# Altium PCB MB1166.PcbDoc (part 27 of 39) (continued)
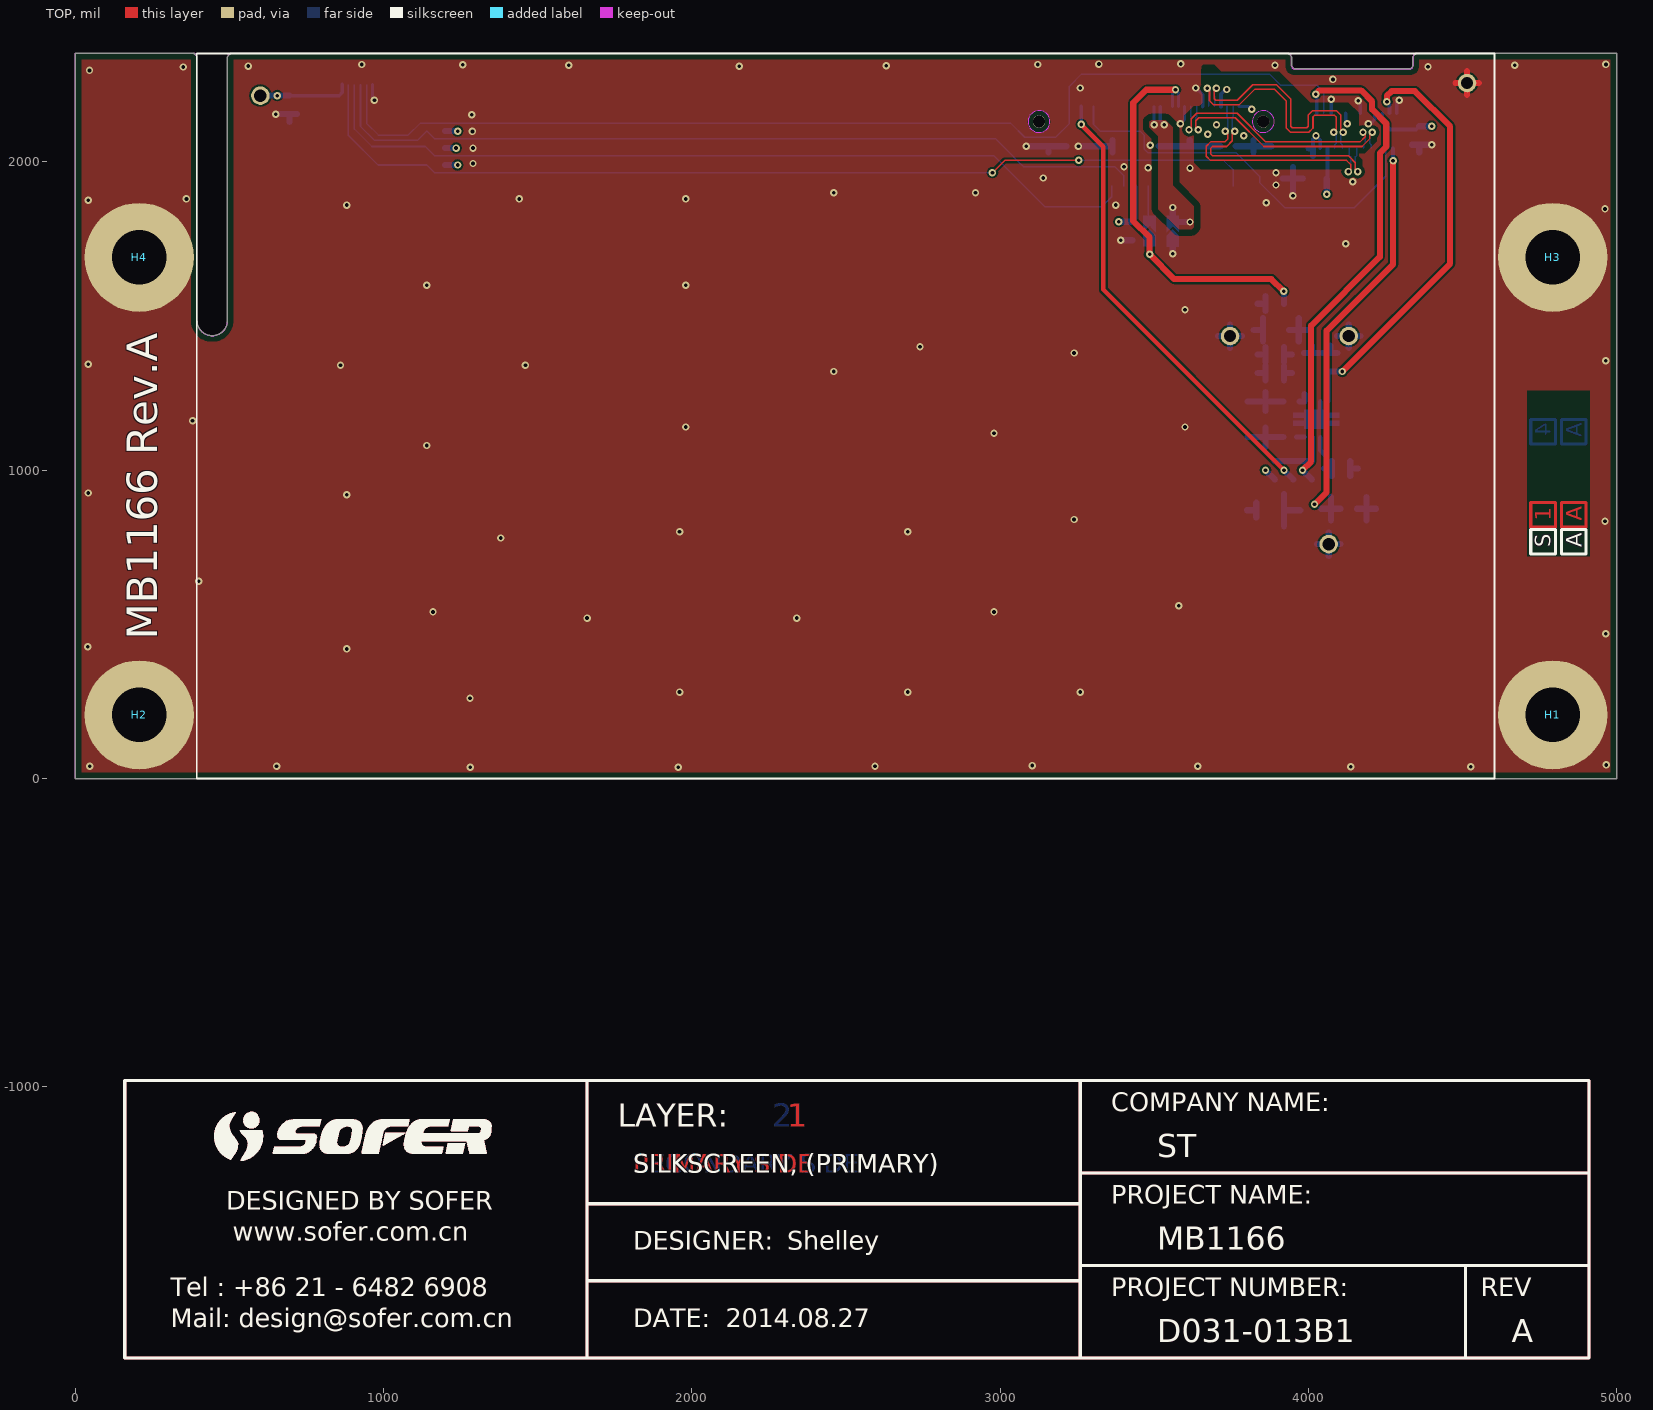
[diagram p0: TOP view]
## Nets (pads, with @x,y where several pads share a name; then routed paths per layer and width w, separated by ;. In a path a pad name is that pad's centre, name@x,y a point inside that pad or via, vN(x,y) a via of type N, cw(c..) or ccw(c..) an arc to the next point about the centre after c; other vN are vias at no path point) (continued)
 ; 1001.2,-1140.4 1001.25,-1140.32 ; 1001.2,-1140.4 1001.25,-1140.32 ; 1001.25,-1140.32 1001.31,-1140.23 ; 1001.25,-1140.32 1001.31,-1140.23 ; 1001.31,-1140.23 1001.36,-1140.15 ; 1001.31,-1140.23 1001.36,-1140.15 ; 1001.36,-1140.15 1001.41,-1140.06 ; 1001.36,-1140.15 1001.41,-1140.06 ; 1001.41,-1140.06 1001.46,-1139.98 ; 1001.41,-1140.06 1001.46,-1139.98 ; 1001.46,-1139.98 1001.52,-1139.89 ; 1001.46,-1139.98 1001.52,-1139.89 ; 1001.52,-1139.89 1001.57,-1139.81 ; 1001.52,-1139.89 1001.57,-1139.81 ; 1001.57,-1139.81 1001.62,-1139.72 ; 1001.57,-1139.81 1001.62,-1139.72 ; 1001.62,-1139.72 1001.68,-1139.64 ; 1001.62,-1139.72 1001.68,-1139.64 ; 1001.68,-1139.64 1001.73,-1139.55 ; 1001.68,-1139.64 1001.73,-1139.55 ; 1001.73,-1139.55 1001.78,-1139.47 ; 1001.73,-1139.55 1001.78,-1139.47 ; 1001.78,-1139.47 1001.84,-1139.39 ; 1001.78,-1139.47 1001.84,-1139.39 ; 1001.84,-1139.39 1001.89,-1139.3 ; 1001.84,-1139.39 1001.89,-1139.3 ; 1001.89,-1139.3 1002.01,-1139.14 ; 1001.89,-1139.3 1002.01,-1139.14 ; 1002.01,-1139.14 1002.06,-1139.05 ; 1002.01,-1139.14 1002.06,-1139.05 ; 1002.06,-1139.05 1002.18,-1138.89 ; 1002.06,-1139.05 1002.18,-1138.89 ; 1002.18,-1138.89 1002.23,-1138.81 ; 1002.18,-1138.89 1002.23,-1138.81 ; 1002.23,-1138.81 1002.29,-1138.73 ; 1002.23,-1138.81 1002.29,-1138.73 ; 1002.29,-1138.73 1002.35,-1138.64 ; 1002.29,-1138.73 1002.35,-1138.64 ; 1002.35,-1138.64 1002.83,-1138 ; 1002.35,-1138.64 1002.83,-1138 ; 1002.83,-1138 1002.89,-1137.93 ; 1002.83,-1138 1002.89,-1137.93 ; 1002.89,-1137.93 1002.95,-1137.85 ; 1002.89,-1137.93 1002.95,-1137.85 ; 1002.95,-1137.85 1003.02,-1137.77 ; 1002.95,-1137.85 1003.02,-1137.77 ; 1003.02,-1137.77 1003.14,-1137.61 ; 1003.02,-1137.77 1003.14,-1137.61 ; 1003.14,-1137.61 1003.2,-1137.54 ; 1003.14,-1137.61 1003.2,-1137.54 ; 1003.2,-1137.54 1003.27,-1137.46 ; 1003.2,-1137.54 1003.27,-1137.46 ; 1003.27,-1137.46 1003.33,-1137.38 ; 1003.27,-1137.46 1003.33,-1137.38 ; 1003.33,-1137.38 1003.4,-1137.3 ; 1003.33,-1137.38 1003.4,-1137.3 ; 1003.4,-1137.3 1003.46,-1137.23 ; 1003.4,-1137.3 1003.46,-1137.23 ; 1003.46,-1137.23 1003.52,-1137.15 ; 1003.46,-1137.23 1003.52,-1137.15 ; 1003.52,-1137.15 1003.59,-1137.07 ; 1003.52,-1137.15 1003.59,-1137.07 ; 1003.59,-1137.07 1003.65,-1137 ; 1003.59,-1137.07 1003.65,-1137 ; 1003.65,-1137 1003.72,-1136.92 ; 1003.65,-1137 1003.72,-1136.92 ; 1003.72,-1136.92 1003.79,-1136.85 ; 1003.72,-1136.92 1003.79,-1136.85 ; 1003.79,-1136.85 1003.85,-1136.77 ; 1003.79,-1136.85 1003.85,-1136.77 ; 1003.85,-1136.77 1003.92,-1136.7 ; 1003.85,-1136.77 1003.92,-1136.7 ; 1003.92,-1136.7 1003.98,-1136.62 ; 1003.92,-1136.7 1003.98,-1136.62 ; 1003.98,-1136.62 1004.05,-1136.55 ; 1003.98,-1136.62 1004.05,-1136.55 ; 1004.05,-1136.55 1004.12,-1136.47 ; 1004.05,-1136.55 1004.12,-1136.47 ; 1004.12,-1136.47 1004.18,-1136.4 ; 1004.12,-1136.47 1004.18,-1136.4 ; 1004.18,-1136.4 1004.25,-1136.33 ; 1004.18,-1136.4 1004.25,-1136.33 ; 1004.25,-1136.33 1004.32,-1136.25 ; 1004.25,-1136.33 1004.32,-1136.25 ; 1004.32,-1136.25 1004.39,-1136.18 ; 1004.32,-1136.25 1004.39,-1136.18 ; 1004.39,-1136.18 1004.45,-1136.11 ; 1004.39,-1136.18 1004.45,-1136.11 ; 1004.45,-1136.11 1004.52,-1136.03 ; 1004.45,-1136.11 1004.52,-1136.03 ; 1004.52,-1136.03 1004.66,-1135.89 ; 1004.52,-1136.03 1004.66,-1135.89 ; 1004.66,-1135.89 1004.73,-1135.81 ; 1004.66,-1135.89 1004.73,-1135.81 ; 1004.73,-1135.81 1005.01,-1135.53 ; 1004.73,-1135.81 1005.01,-1135.53 ; 1005.01,-1135.53 1005.08,-1135.45 ; 1005.01,-1135.53 1005.08,-1135.45 ; 1005.08,-1135.45 1005.78,-1134.75 ; 1005.08,-1135.45 1005.78,-1134.75 ; 1005.78,-1134.75 1005.86,-1134.68 ; 1005.78,-1134.75 1005.86,-1134.68 ; 1005.86,-1134.68 1006.07,-1134.47 ; 1005.86,-1134.68 1006.07,-1134.47 ; 1006.07,-1134.47 1006.15,-1134.4 ; 1006.07,-1134.47 1006.15,-1134.4 ; 1006.15,-1134.4 1006.22,-1134.34 ; 1006.15,-1134.4 1006.22,-1134.34 ; 1006.22,-1134.34 1006.29,-1134.27 ; 1006.22,-1134.34 1006.29,-1134.27 ; 1006.29,-1134.27 1006.37,-1134.2 ; 1006.29,-1134.27 1006.37,-1134.2 ; 1006.37,-1134.2 1006.44,-1134.13 ; 1006.37,-1134.2 1006.44,-1134.13 ; 1006.44,-1134.13 1006.51,-1134.07 ; 1006.44,-1134.13 1006.51,-1134.07 ; 1006.51,-1134.07 1006.59,-1134 ; 1006.51,-1134.07 1006.59,-1134 ; 1006.59,-1134 1006.66,-1133.93 ; 1006.59,-1134 1006.66,-1133.93 ; 1006.66,-1133.93 1006.74,-1133.87 ; 1006.66,-1133.93 1006.74,-1133.87 ; 1006.74,-1133.87 1006.81,-1133.8 ; 1006.74,-1133.87 1006.81,-1133.8 ; 1006.81,-1133.8 1006.89,-1133.73 ; 1006.81,-1133.8 1006.89,-1133.73 ; 1006.89,-1133.73 1006.96,-1133.67 ; 1006.89,-1133.73 1006.96,-1133.67 ; 1006.93,-1150.19 1069.97,-1150.19 ; 1006.93,-1150.19 1069.97,-1150.19 ; 1006.96,-1133.67 1007.04,-1133.6 ; 1006.96,-1133.67 1007.04,-1133.6 ; 1007.04,-1133.6 1007.12,-1133.54 ; 1007.04,-1133.6 1007.12,-1133.54 ; 1007.12,-1133.54 1007.19,-1133.47 ; 1007.12,-1133.54 1007.19,-1133.47 ; 1007.19,-1133.47 1007.35,-1133.35 ; 1007.19,-1133.47 1007.35,-1133.35 ; 1007.35,-1133.35 1007.42,-1133.28 ; 1007.35,-1133.35 1007.42,-1133.28 ; 1007.42,-1133.28 1007.58,-1133.16 ; 1007.42,-1133.28 1007.58,-1133.16 ; 1007.58,-1133.16 1007.66,-1133.09 ; 1007.58,-1133.16 1007.66,-1133.09 ; 1007.66,-1133.09 1007.82,-1132.97 ; 1007.66,-1133.09 1007.82,-1132.97 ; 1007.82,-1132.97 1007.89,-1132.91 ; 1007.82,-1132.97 1007.89,-1132.91 ; 1007.89,-1132.91 1008.37,-1132.55 ; 1007.89,-1132.91 1008.37,-1132.55 ; 1008.37,-1132.55 1008.46,-1132.49 ; 1008.37,-1132.55 1008.46,-1132.49 ; 1008.46,-1132.49 1008.54,-1132.43 ; 1008.46,-1132.49 1008.54,-1132.43 ; 1008.54,-1132.43 1008.62,-1132.38 ; 1008.54,-1132.43 1008.62,-1132.38 ; 1008.62,-1132.38 1008.78,-1132.26 ; 1008.62,-1132.38 1008.78,-1132.26 ; 1008.78,-1132.26 1008.87,-1132.21 ; 1008.78,-1132.26 1008.87,-1132.21 ; 1008.87,-1132.21 1009.03,-1132.09 ; 1008.87,-1132.21 1009.03,-1132.09 ; 1009.03,-1132.09 1009.11,-1132.04 ; 1009.03,-1132.09 1009.11,-1132.04 ; 1009.11,-1132.04 1009.2,-1131.98 ; 1009.11,-1132.04 1009.2,-1131.98 ; 1009.2,-1131.98 1009.28,-1131.93 ; 1009.2,-1131.98 1009.28,-1131.93 ; 1009.28,-1131.93 1009.37,-1131.88 ; 1009.28,-1131.93 1009.37,-1131.88 ; 1009.37,-1131.88 1009.45,-1131.82 ; 1009.37,-1131.88 1009.45,-1131.82 ; 1009.45,-1131.82 1009.54,-1131.77 ; 1009.45,-1131.82 1009.54,-1131.77 ; 1009.54,-1131.77 1009.62,-1131.72 ; 1009.54,-1131.77 1009.62,-1131.72 ; 1009.62,-1131.72 1009.71,-1131.67 ; 1009.62,-1131.72 1009.71,-1131.67 ; 1009.71,-1131.67 1009.79,-1131.61 ; 1009.71,-1131.67 1009.79,-1131.61 ; 1009.79,-1131.61 1009.88,-1131.56 ; 1009.79,-1131.61 1009.88,-1131.56 ; 1009.88,-1131.56 1009.96,-1131.51 ; 1009.88,-1131.56 1009.96,-1131.51 ; 1009.96,-1131.51 1010.14,-1131.41 ; 1009.96,-1131.51 1010.14,-1131.41 ; 1010.14,-1131.41 1010.22,-1131.36 ; 1010.14,-1131.41 1010.22,-1131.36 ; 1010.22,-1131.36 1010.49,-1131.21 ; 1010.22,-1131.36 1010.49,-1131.21 ; 1010.49,-1131.21 1010.57,-1131.17 ; 1010.49,-1131.21 1010.57,-1131.17 ; 1010.57,-1131.17 1010.84,-1131.02 ; 1010.57,-1131.17 1010.84,-1131.02 ; 1010.84,-1131.02 1010.93,-1130.98 ; 1010.84,-1131.02 1010.93,-1130.98 ; 1010.93,-1130.98 1011.01,-1130.93 ; 1010.93,-1130.98 1011.01,-1130.93 ; 1011.01,-1130.93 1011.1,-1130.89 ; 1011.01,-1130.93 1011.1,-1130.89 ; 1011.1,-1130.89 1011.28,-1130.79 ; 1011.1,-1130.89 1011.28,-1130.79 ; 1011.28,-1130.79 1011.46,-1130.71 ; 1011.28,-1130.79 1011.46,-1130.71 ; 1011.46,-1130.71 1011.55,-1130.66 ; 1011.46,-1130.71 1011.55,-1130.66 ; 1011.55,-1130.66 1011.64,-1130.62 ; 1011.55,-1130.66 1011.64,-1130.62 ; 1011.64,-1130.62 1011.73,-1130.57 ; 1011.64,-1130.62 1011.73,-1130.57 ; 1011.73,-1130.57 1012,-1130.45 ; 1011.73,-1130.57 1012,-1130.45 ; 1012,-1130.45 1012.09,-1130.4 ; 1012,-1130.45 1012.09,-1130.4 ; 1012.09,-1130.4 1012.27,-1130.32 ; 1012.09,-1130.4 1012.27,-1130.32 ; 1012.27,-1130.32 1012.37,-1130.28 ; 1012.27,-1130.32 1012.37,-1130.28 ; 1012.37,-1130.28 1012.82,-1130.08 ; 1012.37,-1130.28 1012.82,-1130.08 ; 1012.82,-1130.08 1012.92,-1130.04 ; 1012.82,-1130.08 1012.92,-1130.04 ; 1012.92,-1130.04 1013.19,-1129.92 ; 1012.92,-1130.04 1013.19,-1129.92 ; 1013.19,-1129.92 1013.28,-1129.89 ; 1013.19,-1129.92 1013.28,-1129.89 ; 1013.28,-1129.89 1013.38,-1129.85 ; 1013.28,-1129.89 1013.38,-1129.85 ; 1013.38,-1129.85 1013.56,-1129.77 ; 1013.38,-1129.85 1013.56,-1129.77 ; 1013.56,-1129.77 1013.66,-1129.74 ; 1013.56,-1129.77 1013.66,-1129.74 ; 1013.66,-1129.74 1013.84,-1129.66 ; 1013.66,-1129.74 1013.84,-1129.66 ; 1013.84,-1129.66 1013.93,-1129.63 ; 1013.84,-1129.66 1013.93,-1129.63 ; 1013.93,-1129.63 1014.03,-1129.59 ; 1013.93,-1129.63 1014.03,-1129.59 ; 1014.03,-1129.59 1014.12,-1129.55 ; 1014.03,-1129.59 1014.12,-1129.55 ; 1014.12,-1129.55 1014.21,-1129.52 ; 1014.12,-1129.55 1014.21,-1129.52 ; 1014.21,-1129.52 1014.31,-1129.48 ; 1014.21,-1129.52 1014.31,-1129.48 ; 1014.31,-1129.48 1014.4,-1129.45 ; 1014.31,-1129.48 1014.4,-1129.45 ; 1014.4,-1129.45 1014.5,-1129.41 ; 1014.4,-1129.45 1014.5,-1129.41 ; 1014.5,-1129.41 1014.59,-1129.38 ; 1014.5,-1129.41 1014.59,-1129.38 ; 1014.59,-1129.38 1014.68,-1129.34 ; 1014.59,-1129.38 1014.68,-1129.34 ; 1014.68,-1129.34 1014.78,-1129.31 ; 1014.68,-1129.34 1014.78,-1129.31 ; 1014.78,-1129.31 1014.87,-1129.28 ; 1014.78,-1129.31 1014.87,-1129.28 ; 1014.87,-1129.28 1014.97,-1129.24 ; 1014.87,-1129.28 1014.97,-1129.24 ; 1014.97,-1129.24 1015.15,-1129.18 ; 1014.97,-1129.24 1015.15,-1129.18 ; 1015.15,-1129.18 1015.25,-1129.14 ; 1015.15,-1129.18 1015.25,-1129.14 ; 1015.25,-1129.14 1015.34,-1129.11 ; 1015.25,-1129.14 1015.34,-1129.11 ; 1015.34,-1129.11 1015.44,-1129.08 ; 1015.34,-1129.11 1015.44,-1129.08 ; 1015.44,-1129.08 1015.53,-1129.05 ; 1015.44,-1129.08 1015.53,-1129.05 ; 1015.53,-1129.05 1015.63,-1129.01 ; 1015.53,-1129.05 1015.63,-1129.01 ; 1015.63,-1129.01 1015.72,-1128.98 ; 1015.63,-1129.01 1015.72,-1128.98 ; 1015.72,-1128.98 1015.82,-1128.95 ; 1015.72,-1128.98 1015.82,-1128.95 ; 1015.82,-1128.95 1015.91,-1128.92 ; 1015.82,-1128.95 1015.91,-1128.92 ; 1015.91,-1128.92 1016.01,-1128.89 ; 1015.91,-1128.92 1016.01,-1128.89 ; 1016.01,-1128.89 1016.1,-1128.85 ; 1016.01,-1128.89 1016.1,-1128.85 ; 1016.1,-1128.85 1016.2,-1128.82 ; 1016.1,-1128.85 1016.2,-1128.82 ; 1016.2,-1128.82 1016.29,-1128.79 ; 1016.2,-1128.82 1016.29,-1128.79 ; 1016.29,-1128.79 1016.39,-1128.76 ; 1016.29,-1128.79 1016.39,-1128.76 ; 1016.39,-1128.76 1016.48,-1128.73 ; 1016.39,-1128.76 1016.48,-1128.73 ; 1016.48,-1128.73 1016.58,-1128.7 ; 1016.48,-1128.73 1016.58,-1128.7 ; 1016.58,-1128.7 1016.67,-1128.67 ; 1016.58,-1128.7 1016.67,-1128.67 ; 1016.67,-1128.67 1016.77,-1128.64 ; 1016.67,-1128.67 1016.77,-1128.64 ; 1016.77,-1128.64 1016.86,-1128.61 ; 1016.77,-1128.64 1016.86,-1128.61 ; 1016.86,-1128.61 1016.96,-1128.58 ; 1016.86,-1128.61 1016.96,-1128.58 ; 1016.96,-1128.58 1017.05,-1128.55 ; 1016.96,-1128.58 1017.05,-1128.55 ; 1017.05,-1128.55 1017.25,-1128.49 ; 1017.05,-1128.55 1017.25,-1128.49 ; 1017.25,-1128.49 1017.34,-1128.46 ; 1017.25,-1128.49 1017.34,-1128.46 ; 1017.34,-1128.46 1017.44,-1128.43 ; 1017.34,-1128.46 1017.44,-1128.43 ; 1017.44,-1128.43 1017.53,-1128.41 ; 1017.44,-1128.43 1017.53,-1128.41 ; 1017.53,-1128.41 1017.63,-1128.38 ; 1017.53,-1128.41 1017.63,-1128.38 ; 1017.63,-1128.38 1017.72,-1128.35 ; 1017.63,-1128.38 1017.72,-1128.35 ; 1017.72,-1128.35 1017.92,-1128.29 ; 1017.72,-1128.35 1017.92,-1128.29 ; 1017.92,-1128.29 1018.01,-1128.26 ; 1017.92,-1128.29 1018.01,-1128.26 ; 1018.01,-1128.26 1018.11,-1128.24 ; 1018.01,-1128.26 1018.11,-1128.24 ; 1018.11,-1128.24 1018.2,-1128.21 ; 1018.11,-1128.24 1018.2,-1128.21 ; 1018.2,-1128.21 1018.4,-1128.15 ; 1018.2,-1128.21 1018.4,-1128.15 ; 1018.4,-1128.15 1018.49,-1128.13 ; 1018.4,-1128.15 1018.49,-1128.13 ; 1018.49,-1128.13 1018.69,-1128.07 ; 1018.49,-1128.13 1018.69,-1128.07 ; 1018.69,-1128.07 1018.78,-1128.05 ; 1018.69,-1128.07 1018.78,-1128.05 ; 1018.78,-1128.05 1018.88,-1128.02 ; 1018.78,-1128.05 1018.88,-1128.02 ; 1018.88,-1128.02 1018.97,-1127.99 ; 1018.88,-1128.02 1018.97,-1127.99 ; 1018.97,-1127.99 1019.07,-1127.97 ; 1018.97,-1127.99 1019.07,-1127.97 ; 1019.07,-1127.97 1019.17,-1127.94 ; 1019.07,-1127.97 1019.17,-1127.94 ; 1019.17,-1127.94 1019.26,-1127.91 ; 1019.17,-1127.94 1019.26,-1127.91 ; 1019.26,-1127.91 1019.36,-1127.89 ; 1019.26,-1127.91 1019.36,-1127.89 ; 1019.36,-1127.89 1019.46,-1127.86 ; 1019.36,-1127.89 1019.46,-1127.86 ; 1019.46,-1127.86 1019.55,-1127.84 ; 1019.46,-1127.86 1019.55,-1127.84 ; 1019.55,-1127.84 1019.65,-1127.81 ; 1019.55,-1127.84 1019.65,-1127.81 ; 1019.65,-1127.81 1019.75,-1127.79 ; 1019.65,-1127.81 1019.75,-1127.79 ; 1019.75,-1127.79 1019.84,-1127.76 ; 1019.75,-1127.79 1019.84,-1127.76 ; 1019.84,-1127.76 1079.04,-1127.76 ; 1019.84,-1127.76 1079.04,-1127.76 ; 1067.37,-1189.38 1067.37,-1189.08 ; 1067.37,-1189.38 1067.38,-1189.48 ; 1067.37,-1189.38 1067.37,-1189.08 ; 1067.37,-1189.38 1067.38,-1189.48 ; 1067.37,-1189.08 1067.36,-1188.98 ; 1067.37,-1189.08 1067.36,-1188.98 ; 1067.36,-1188.98 1067.36,-1188.58 ; 1067.36,-1188.98 1067.36,-1188.58 ; 1067.36,-1188.58 1067.35,-1188.48 ; 1067.36,-1188.58 1067.35,-1188.48 ; 1067.35,-1188.48 1067.35,-1186.28 ; 1067.35,-1188.48 1067.35,-1186.28 ; 1067.35,-1186.28 1067.36,-1186.18 ; 1067.35,-1186.28 1067.36,-1186.18 ; 1067.36,-1186.18 1067.36,-1185.88 ; 1067.36,-1186.18 1067.36,-1185.88 ; 1067.36,-1185.88 1067.37,-1185.78 ; 1067.36,-1185.88 1067.37,-1185.78 ; 1067.37,-1185.78 1067.37,-1185.48 ; 1067.37,-1185.78 1067.37,-1185.48 ; 1067.37,-1185.48 1067.38,-1185.38 ; 1067.37,-1185.48 1067.38,-1185.38 ; 1067.42,-1190.68 1067.42,-1190.58 ; 1067.42,-1190.68 1067.43,-1190.78 ; 1067.42,-1190.68 1067.42,-1190.58 ; 1067.42,-1190.68 1067.43,-1190.78 ; 1067.42,-1190.58 1067.41,-1190.48 ; 1067.42,-1190.58 1067.41,-1190.48 ; 1067.41,-1190.48 1067.41,-1190.38 ; 1067.41,-1190.48 1067.41,-1190.38 ; 1067.41,-1190.38 1067.4,-1190.28 ; 1067.41,-1190.38 1067.4,-1190.28 ; 1067.4,-1190.28 1067.4,-1190.08 ; 1067.4,-1190.28 1067.4,-1190.08 ; 1067.4,-1190.08 1067.39,-1189.98 ; 1067.4,-1190.12 1150.78,-1106.74 1067.4,-1190.12 ; 1067.4,-1190.08 1067.39,-1189.98 ; 1067.39,-1189.98 1067.39,-1189.78 ; 1067.39,-1189.98 1067.39,-1189.78 ; 1067.39,-1189.78 1067.38,-1189.68 ; 1067.39,-1189.78 1067.38,-1189.68 ; 1067.38,-1189.68 1067.38,-1189.48 ; 1067.38,-1189.68 1067.38,-1189.48 ; 1067.38,-1185.38 1067.38,-1185.18 ; 1067.38,-1185.38 1067.38,-1185.18 ; 1067.38,-1185.18 1067.39,-1185.08 ; 1067.38,-1185.18 1067.39,-1185.08 ; 1067.39,-1185.08 1067.39,-1184.88 ; 1067.39,-1185.08 1067.39,-1184.88 ; 1067.39,-1184.88 1067.4,-1184.78 ; 1067.39,-1184.88 1067.4,-1184.78 ; 1067.4,-1184.78 1067.4,-1184.68 ; 1067.4,-1184.78 1067.4,-1184.68 ; 1067.4,-1184.68 1067.41,-1184.58 ; 1067.4,-1184.68 1067.41,-1184.58 ; 1067.41,-1184.58 1067.41,-1184.38 ; 1067.41,-1184.58 1067.41,-1184.38 ; 1067.41,-1184.38 1067.42,-1184.28 ; 1067.41,-1184.38 1067.42,-1184.28 ; 1067.42,-1184.28 1067.42,-1184.18 ; 1067.42,-1184.28 1067.42,-1184.18 ; 1067.42,-1184.18 1067.43,-1184.08 ; 1067.42,-1184.18 1067.43,-1184.08 ; 1067.47,-1191.58 1067.47,-1191.48 ; 1067.47,-1191.58 1067.49,-1191.78 ; 1067.47,-1191.58 1067.47,-1191.48 ; 1067.47,-1191.58 1067.49,-1191.78 ; 1067.47,-1191.48 1067.45,-1191.28 ; 1067.47,-1191.48 1067.45,-1191.28 ; 1067.45,-1191.28 1067.45,-1191.18 ; 1067.45,-1191.28 1067.45,-1191.18 ; 1067.45,-1191.18 1067.44,-1191.08 ; 1067.45,-1191.18 1067.44,-1191.08 ; 1067.44,-1191.08 1067.44,-1190.98 ; 1067.44,-1191.08 1067.44,-1190.98 ; 1067.44,-1190.98 1067.43,-1190.88 ; 1067.44,-1190.98 1067.43,-1190.88 ; 1067.43,-1190.88 1067.43,-1190.78 ; 1067.43,-1190.88 1067.43,-1190.78 ; 1067.43,-1184.08 1067.43,-1183.98 ; 1067.43,-1184.08 1067.43,-1183.98 ; 1067.43,-1183.98 1067.44,-1183.88 ; 1067.43,-1183.98 1067.44,-1183.88 ; 1067.44,-1183.88 1067.44,-1183.78 ; 1067.44,-1183.88 1067.44,-1183.78 ; 1067.44,-1183.78 1067.46,-1183.58 ; 1067.44,-1183.78 1067.46,-1183.58 ; 1067.46,-1183.58 1067.46,-1183.48 ; 1067.46,-1183.58 1067.46,-1183.48 ; 1067.46,-1183.48 1067.47,-1183.38 ; 1067.46,-1183.48 1067.47,-1183.38 ; 1067.47,-1183.38 1067.47,-1183.28 ; 1067.47,-1183.38 1067.47,-1183.28 ; 1067.47,-1183.28 1067.49,-1183.08 ; 1067.47,-1183.31 1144.04,-1106.74 1067.47,-1183.31 ; 1067.47,-1183.28 1067.49,-1183.08 ; 1067.51,-1192.07 1067.5,-1191.98 ; 1067.51,-1192.07 1067.53,-1192.27 ; 1067.51,-1192.07 1067.5,-1191.98 ; 1067.51,-1192.07 1067.53,-1192.27 ; 1067.5,-1191.98 1067.49,-1191.88 ; 1067.5,-1191.98 1067.49,-1191.88 ; 1067.49,-1191.88 1067.49,-1191.78 ; 1067.49,-1191.88 1067.49,-1191.78 ; 1067.49,-1183.08 1067.49,-1182.98 ; 1067.49,-1183.08 1067.49,-1182.98 ; 1067.49,-1182.98 1067.52,-1182.68 ; 1067.49,-1182.98 1067.52,-1182.68 ; 1067.52,-1182.68 1067.52,-1182.58 ; 1067.52,-1182.68 1067.52,-1182.58 ; 1067.52,-1182.58 1067.55,-1182.28 ; 1067.52,-1182.58 1067.55,-1182.28 ; 1067.53,-1192.37 1067.53,-1192.27 ; 1067.53,-1192.37 1067.65,-1193.57 ; 1067.53,-1192.37 1067.53,-1192.27 ; 1067.53,-1192.37 1067.65,-1193.57 ; 1067.55,-1182.28 1067.55,-1182.18 ; 1067.55,-1182.28 1067.55,-1182.18 ; 1067.55,-1182.18 1067.56,-1182.08 ; 1067.55,-1182.18 1067.56,-1182.08 ; 1067.56,-1182.08 1067.57,-1181.99 ; 1067.56,-1182.08 1067.57,-1181.99 ; 1067.57,-1181.99 1067.61,-1181.59 ; 1067.57,-1181.99 1067.61,-1181.59 ; 1067.61,-1181.59 1067.61,-1181.49 ; 1067.61,-1181.59 1067.61,-1181.49 ; 1067.61,-1181.49 1067.69,-1180.69 ; 1067.61,-1181.49 1067.69,-1180.69 ; 1067.67,-1193.67 1067.65,-1193.57 ; 1067.67,-1193.67 1067.69,-1193.87 ; 1067.67,-1193.67 1067.65,-1193.57 ; 1067.67,-1193.67 1067.69,-1193.87 ; 1067.72,-1194.06 1067.7,-1193.96 ; 1067.72,-1194.06 1067.74,-1194.26 ; 1067.72,-1194.06 1067.7,-1193.96 ; 1067.72,-1194.06 1067.74,-1194.26 ; 1067.7,-1193.96 1067.69,-1193.87 ; 1067.7,-1193.96 1067.69,-1193.87 ; 1067.69,-1180.69 1067.71,-1180.59 ; 1067.69,-1180.69 1067.71,-1180.59 ; 1067.71,-1180.59 1067.76,-1180.09 ; 1067.71,-1180.59 1067.76,-1180.09 ; 1067.77,-1194.46 1067.76,-1194.36 ; 1067.77,-1194.46 1067.79,-1194.56 ; 1067.77,-1194.46 1067.76,-1194.36 ; 1067.77,-1194.46 1067.79,-1194.56 ; 1067.76,-1194.36 1067.74,-1194.26 ; 1067.76,-1194.36 1067.74,-1194.26 ; 1067.74,-1194.26 1155.27,-1106.74 1067.74,-1194.26 ; 1067.76,-1180.09 1067.77,-1180 ; 1067.76,-1180.09 1067.77,-1180 ; 1067.77,-1180 1067.78,-1179.9 ; 1067.77,-1180 1067.78,-1179.9 ; 1067.82,-1194.76 1067.8,-1194.66 ; 1067.82,-1194.76 1067.83,-1194.86 ; 1067.82,-1194.76 1067.8,-1194.66 ; 1067.82,-1194.76 1067.83,-1194.86 ; 1067.8,-1194.66 1067.79,-1194.56 ; 1067.8,-1194.66 1067.79,-1194.56 ; 1067.78,-1179.9 1067.8,-1179.8 ; 1067.78,-1179.9 1067.8,-1179.8 ; 1067.8,-1179.8 1067.83,-1179.5 ; 1067.8,-1179.8 1067.83,-1179.5 ; 1067.87,-1195.05 1067.85,-1194.95 ; 1067.87,-1195.05 1067.88,-1195.15 ; 1067.87,-1195.05 1067.85,-1194.95 ; 1067.87,-1195.05 1067.88,-1195.15 ; 1067.85,-1194.95 1067.83,-1194.86 ; 1067.85,-1194.95 1067.83,-1194.86 ; 1067.83,-1179.5 1067.85,-1179.4 ; 1067.83,-1179.5 1067.85,-1179.4 ; 1067.85,-1179.4 1067.87,-1179.2 ; 1067.85,-1179.4 1067.87,-1179.2 ; 1067.87,-1179.2 1067.89,-1179.1 ; 1067.87,-1179.2 1067.89,-1179.1 ; 1067.92,-1195.35 1067.88,-1195.15 ; 1067.92,-1195.35 1067.93,-1195.45 ; 1067.92,-1195.35 1067.88,-1195.15 ; 1067.92,-1195.35 1067.93,-1195.45 ; 1067.89,-1179.1 1067.91,-1178.9 ; 1067.89,-1179.1 1067.91,-1178.9 ; 1067.91,-1178.9 1067.93,-1178.81 ; 1067.91,-1178.9 1067.93,-1178.81 ; 1067.95,-1195.54 1067.93,-1195.45 ; 1067.95,-1195.54 1068.05,-1196.04 ; 1067.95,-1195.54 1067.93,-1195.45 ; 1067.95,-1195.54 1068.05,-1196.04 ; 1067.93,-1178.81 1067.95,-1178.61 ; 1067.93,-1178.81 1067.95,-1178.61 ; 1067.95,-1178.61 1067.97,-1178.51 ; 1067.95,-1178.61 1067.97,-1178.51 ; 1067.97,-1178.51 1067.98,-1178.41 ; 1067.97,-1178.51 1067.98,-1178.41 ; 1067.98,-1178.41 1068,-1178.31 ; 1067.98,-1178.41 1068,-1178.31 ; 1068,-1178.31 1068.01,-1178.21 ; 1068,-1178.29 1139.55,-1106.74 1068,-1178.29 ; 1068,-1178.31 1068.01,-1178.21 ; 1068.01,-1178.21 1068.03,-1178.11 ; 1068.01,-1178.21 1068.03,-1178.11 ; 1068.07,-1196.13 1068.05,-1196.04 ; 1068.07,-1196.13 1068.13,-1196.43 ; 1068.07,-1196.13 1068.05,-1196.04 ; 1068.07,-1196.13 1068.13,-1196.43 ; 1068.03,-1178.11 1068.04,-1178.01 ; 1068.03,-1178.11 1068.04,-1178.01 ; 1068.04,-1178.01 1068.06,-1177.91 ; 1068.04,-1178.01 1068.06,-1177.91 ; 1068.06,-1177.91 1068.07,-1177.82 ; 1068.06,-1177.91 1068.07,-1177.82 ; 1068.07,-1177.82 1068.11,-1177.62 ; 1068.07,-1177.82 1068.11,-1177.62 ; 1068.11,-1177.62 1068.12,-1177.52 ; 1068.11,-1177.62 1068.12,-1177.52 ; 1068.12,-1177.52 1068.14,-1177.42 ; 1068.12,-1177.52 1068.14,-1177.42 ; 1068.15,-1196.52 1068.13,-1196.43 ; 1068.15,-1196.52 1068.18,-1196.62 ; 1068.15,-1196.52 1068.13,-1196.43 ; 1068.15,-1196.52 1068.18,-1196.62 ; 1068.14,-1177.42 1068.15,-1177.32 ; 1068.14,-1177.42 1068.15,-1177.32 ; 1068.15,-1177.32 1068.17,-1177.22 ; 1068.15,-1177.32 1068.17,-1177.22 ; 1068.17,-1177.22 1068.19,-1177.13 ; 1068.17,-1177.22 1068.19,-1177.13 ; 1068.22,-1196.82 1068.18,-1196.62 ; 1068.22,-1196.82 1068.25,-1196.91 ; 1068.22,-1196.82 1068.18,-1196.62 ; 1068.22,-1196.82 1068.25,-1196.91 ; 1068.19,-1177.13 1068.2,-1177.03 ; 1068.19,-1177.13 1068.2,-1177.03 ; 1068.2,-1177.03 1068.24,-1176.83 ; 1068.2,-1177.03 1068.24,-1176.83 ; 1068.25,-1196.91 1068.29,-1197.11 ; 1068.25,-1196.91 1068.29,-1197.11 ; 1068.24,-1176.83 1068.25,-1176.73 ; 1068.24,-1176.83 1068.25,-1176.73 ; 1068.25,-1176.73 1068.29,-1176.53 ; 1068.25,-1176.73 1068.29,-1176.53 ; 1068.32,-1197.2 1068.29,-1197.11 ; 1068.32,-1197.2 1068.34,-1197.3 ; 1068.32,-1197.2 1068.29,-1197.11 ; 1068.32,-1197.2 1068.34,-1197.3 ; 1068.29,-1176.53 1068.31,-1176.44 ; 1068.29,-1176.53 1068.31,-1176.44 ; 1068.31,-1176.44 1068.33,-1176.34 ; 1068.31,-1176.44 1068.33,-1176.34 ; 1068.37,-1197.4 1068.34,-1197.3 ; 1068.37,-1197.4 1068.4,-1197.49 ; 1068.37,-1197.4 1068.34,-1197.3 ; 1068.37,-1197.4 1068.4,-1197.49 ; 1068.33,-1176.34 1068.34,-1176.24 ; 1068.33,-1176.34 1068.34,-1176.24 ; 1068.34,-1176.24 1068.4,-1175.94 ; 1068.34,-1176.24 1068.4,-1175.94 ; 1068.42,-1197.59 1068.4,-1197.49 ; 1068.42,-1197.59 1068.45,-1197.69 ; 1068.42,-1197.59 1068.4,-1197.49 ; 1068.42,-1197.59 1068.45,-1197.69 ; 1068.4,-1175.94 1068.42,-1175.85 ; 1068.4,-1175.94 1068.42,-1175.85 ; 1068.42,-1175.85 1068.46,-1175.65 ; 1068.42,-1175.85 1068.46,-1175.65 ; 1068.45,-1197.69 1068.48,-1197.78 ; 1068.45,-1197.69 1068.48,-1197.78 ; 1068.46,-1175.65 1068.47,-1175.55 ; 1068.46,-1175.65 1068.47,-1175.55 ; 1068.47,-1175.55 1068.49,-1175.45 ; 1068.47,-1175.55 1068.49,-1175.45 ; 1068.5,-1197.88 1068.48,-1197.78 ; 1068.5,-1197.88 1068.53,-1197.98 ; 1068.5,-1197.88 1068.48,-1197.78 ; 1068.5,-1197.88 1068.53,-1197.98 ; 1068.49,-1175.45 1068.51,-1175.36 ; 1068.49,-1175.45 1068.51,-1175.36 ; 1068.51,-1175.36 1068.59,-1174.96 ; 1068.51,-1175.36 1068.59,-1174.96 ; 1068.56,-1198.07 1068.53,-1197.98 ; 1068.56,-1198.07 1068.59,-1198.17 ; 1068.56,-1198.07 1068.53,-1197.98 ; 1068.56,-1198.07 1068.59,-1198.17 ; 1068.62,-1198.26 1068.59,-1198.17 ; 1068.62,-1198.26 1068.65,-1198.36 ; 1068.62,-1198.26 1068.59,-1198.17 ; 1068.62,-1198.26 1068.65,-1198.36 ; 1068.59,-1174.96 1068.61,-1174.87 ; 1068.59,-1174.96 1068.61,-1174.87 ; 1068.61,-1174.87 1068.69,-1174.47 ; 1068.61,-1174.87 1068.69,-1174.47 ; 1068.65,-1198.36 1068.68,-1198.45 ; 1068.65,-1198.36 1068.68,-1198.45 ; 1068.71,-1198.55 1068.68,-1198.45 ; 1068.71,-1198.55 1068.74,-1198.64 ; 1068.71,-1198.55 1068.68,-1198.45 ; 1068.71,-1198.55 1068.74,-1198.64 ; 1068.69,-1174.47 1068.71,-1174.38 ; 1068.69,-1174.47 1068.71,-1174.38 ; 1068.71,-1174.38 1068.73,-1174.28 ; 1068.71,-1174.38 1068.73,-1174.28 ; 1068.77,-1198.74 1068.74,-1198.64 ; 1068.77,-1198.74 1068.8,-1198.83 ; 1068.77,-1198.74 1068.74,-1198.64 ; 1068.77,-1198.74 1068.8,-1198.83 ; 1068.73,-1174.28 1068.76,-1174.18 ; 1068.73,-1174.28 1068.76,-1174.18 ; 1068.76,-1174.18 1068.8,-1173.98 ; 1068.76,-1174.18 1068.8,-1173.98 ; 1068.8,-1198.83 1068.84,-1198.93 ; 1068.8,-1198.83 1068.84,-1198.93 ; 1068.8,-1173.98 1068.82,-1173.89 ; 1068.8,-1173.98 1068.82,-1173.89 ; 1068.82,-1173.89 1068.88,-1173.59 ; 1068.82,-1173.89 1068.88,-1173.59 ; 1068.87,-1199.02 1068.84,-1198.93 ; 1068.87,-1199.02 1068.9,-1199.12 ; 1068.87,-1199.02 1068.84,-1198.93 ; 1068.87,-1199.02 1068.9,-1199.12 ; 1068.9,-1199.12 1068.94,-1199.21 ; 1068.9,-1199.12 1068.94,-1199.21 ; 1068.88,-1173.59 1068.9,-1173.5 ; 1068.88,-1173.59 1068.9,-1173.5 ; 1068.9,-1173.5 1068.93,-1173.4 ; 1068.9,-1173.5 1068.93,-1173.4 ; 1068.97,-1199.31 1068.94,-1199.21 ; 1068.97,-1199.31 1069,-1199.4 ; 1068.97,-1199.31 1068.94,-1199.21 ; 1068.97,-1199.31 1069,-1199.4 ; 1068.93,-1173.4 1068.97,-1173.2 ; 1068.93,-1173.4 1068.97,-1173.2 ; 1068.97,-1173.2 1068.99,-1173.11 ; 1068.97,-1173.2 1068.99,-1173.11 ; 1069,-1199.4 1069.04,-1199.49 ; 1069,-1199.4 1069.04,-1199.49 ; 1068.99,-1173.11 1069.02,-1173.01 ; 1068.99,-1173.11 1069.02,-1173.01 ; 1069.02,-1173.01 1069.06,-1172.81 ; 1069.02,-1173.01 1069.06,-1172.81 ; 1069.07,-1199.59 1069.04,-1199.49 ; 1069.07,-1199.59 1069.15,-1199.77 ; 1069.07,-1199.59 1069.04,-1199.49 ; 1069.07,-1199.59 1069.15,-1199.77 ; 1069.06,-1172.81 1069.08,-1172.72 ; 1069.06,-1172.81 1069.08,-1172.72 ; 1069.08,-1172.72 1069.11,-1172.62 ; 1069.08,-1172.72 1135.06,-1106.74 1069.08,-1172.72 ; 1069.08,-1172.72 1069.11,-1172.62 ; 1069.11,-1172.62 1069.15,-1172.42 ; 1069.11,-1172.62 1069.15,-1172.42 ; 1069.15,-1199.77 1069.18,-1199.87 ; 1069.15,-1199.77 1069.18,-1199.87 ; 1069.15,-1172.42 1069.17,-1172.33 ; 1069.15,-1172.42 1069.17,-1172.33 ; 1069.17,-1172.33 1069.2,-1172.23 ; 1069.17,-1172.33 1069.2,-1172.23 ; 1069.18,-1199.87 1069.3,-1200.14 ; 1069.18,-1199.87 1069.3,-1200.14 ; 1069.2,-1172.23 1069.24,-1172.03 ; 1069.2,-1172.23 1069.24,-1172.03 ; 1069.24,-1172.03 1069.27,-1171.94 ; 1069.24,-1172.03 1069.27,-1171.94 ; 1069.27,-1171.94 1069.31,-1171.74 ; 1069.27,-1171.94 1069.31,-1171.74 ; 1069.3,-1200.14 1069.34,-1200.24 ; 1069.3,-1200.14 1069.34,-1200.24 ; 1069.31,-1171.74 1069.34,-1171.65 ; 1069.31,-1171.74 1069.34,-1171.65 ; 1069.34,-1200.24 1069.62,-1200.87 ; 1069.34,-1200.24 1069.62,-1200.87 ; 1069.34,-1171.65 1069.38,-1171.45 ; 1069.34,-1171.65 1069.38,-1171.45 ; 1069.38,-1171.45 1069.41,-1171.35 ; 1069.38,-1171.45 1069.41,-1171.35 ; 1069.41,-1171.35 1069.43,-1171.26 ; 1069.41,-1171.35 1069.43,-1171.26 ; 1069.43,-1171.26 1069.45,-1171.16 ; 1069.43,-1171.26 1069.45,-1171.16 ; 1069.45,-1171.16 1069.48,-1171.06 ; 1069.45,-1171.16 1069.48,-1171.06 ; 1069.48,-1171.06 1069.5,-1170.97 ; 1069.48,-1171.06 1069.5,-1170.97 ; 1069.5,-1170.97 1069.53,-1170.87 ; 1069.5,-1170.97 1069.53,-1170.87 ; 1069.53,-1170.87 1069.57,-1170.67 ; 1069.53,-1170.87 1069.57,-1170.67 ; 1069.57,-1170.67 1069.6,-1170.58 ; 1069.57,-1170.67 1069.6,-1170.58 ; 1069.62,-1200.87 1069.66,-1200.97 ; 1069.62,-1200.87 1069.66,-1200.97 ; 1069.6,-1170.58 1069.62,-1170.48 ; 1069.6,-1170.58 1069.62,-1170.48 ; 1069.62,-1170.48 1069.65,-1170.38 ; 1069.62,-1170.48 1069.65,-1170.38 ; 1069.66,-1200.97 1069.71,-1201.06 ; 1069.66,-1200.97 1069.71,-1201.06 ; 1069.65,-1170.38 1069.67,-1170.29 ; 1069.65,-1170.38 1069.67,-1170.29 ; 1069.67,-1170.29 1069.69,-1170.19 ; 1069.67,-1170.29 1069.69,-1170.19 ; 1069.71,-1201.06 1069.79,-1201.24 ; 1069.71,-1201.06 1069.79,-1201.24 ; 1069.69,-1170.19 1069.72,-1170.09 ; 1069.69,-1170.19 1069.72,-1170.09 ; 1069.72,-1170.09 1069.74,-1170 ; 1069.72,-1170.09 1069.74,-1170 ; 1069.74,-1170 1069.77,-1169.9 ; 1069.74,-1170 1069.77,-1169.9 ; 1069.77,-1169.9 1069.79,-1169.8 ; 1069.77,-1169.9 1069.79,-1169.8 ; 1069.79,-1201.24 1069.84,-1201.33 ; 1069.79,-1201.24 1069.84,-1201.33 ; 1069.79,-1169.8 1069.82,-1169.7 ; 1069.79,-1169.8 1069.82,-1169.7 ; 1069.82,-1169.7 1069.84,-1169.61 ; 1069.82,-1169.7 1069.84,-1169.61 ; 1069.84,-1201.33 1069.88,-1201.42 ; 1069.84,-1201.33 1069.88,-1201.42 ; 1069.84,-1169.61 1069.86,-1169.51 ; 1069.84,-1169.61 1069.86,-1169.51 ; 1069.86,-1169.51 1069.89,-1169.41 ; 1069.86,-1169.51 1069.89,-1169.41 ; 1069.88,-1201.42 1069.93,-1201.5 ; 1069.88,-1201.42 1069.93,-1201.5 ; 1069.89,-1169.41 1069.91,-1169.32 ; 1069.89,-1169.41 1069.91,-1169.32 ; 1069.91,-1169.32 1069.94,-1169.22 ; 1069.91,-1169.32 1069.94,-1169.22 ; 1069.97,-1201.59 1069.93,-1201.5 ; 1069.97,-1201.59 1070.02,-1201.68 ; 1069.97,-1201.59 1069.93,-1201.5 ; 1069.97,-1201.59 1070.02,-1201.68 ; 1069.94,-1169.22 1069.98,-1169.02